# Altium PCB USD3.0.PcbDoc (part 1 of 3)
Units mm, origin at the board's own origin, x right, y up, seen from the top; angles counter-clockwise.
Board outline 70 x 100 mm, 4 copper layers (Layer 1, Layer 2, Layer 3, Layer 4), stack 0.566 mm thick; 249 components, 168 nets, 1040 pads, 789 vias.
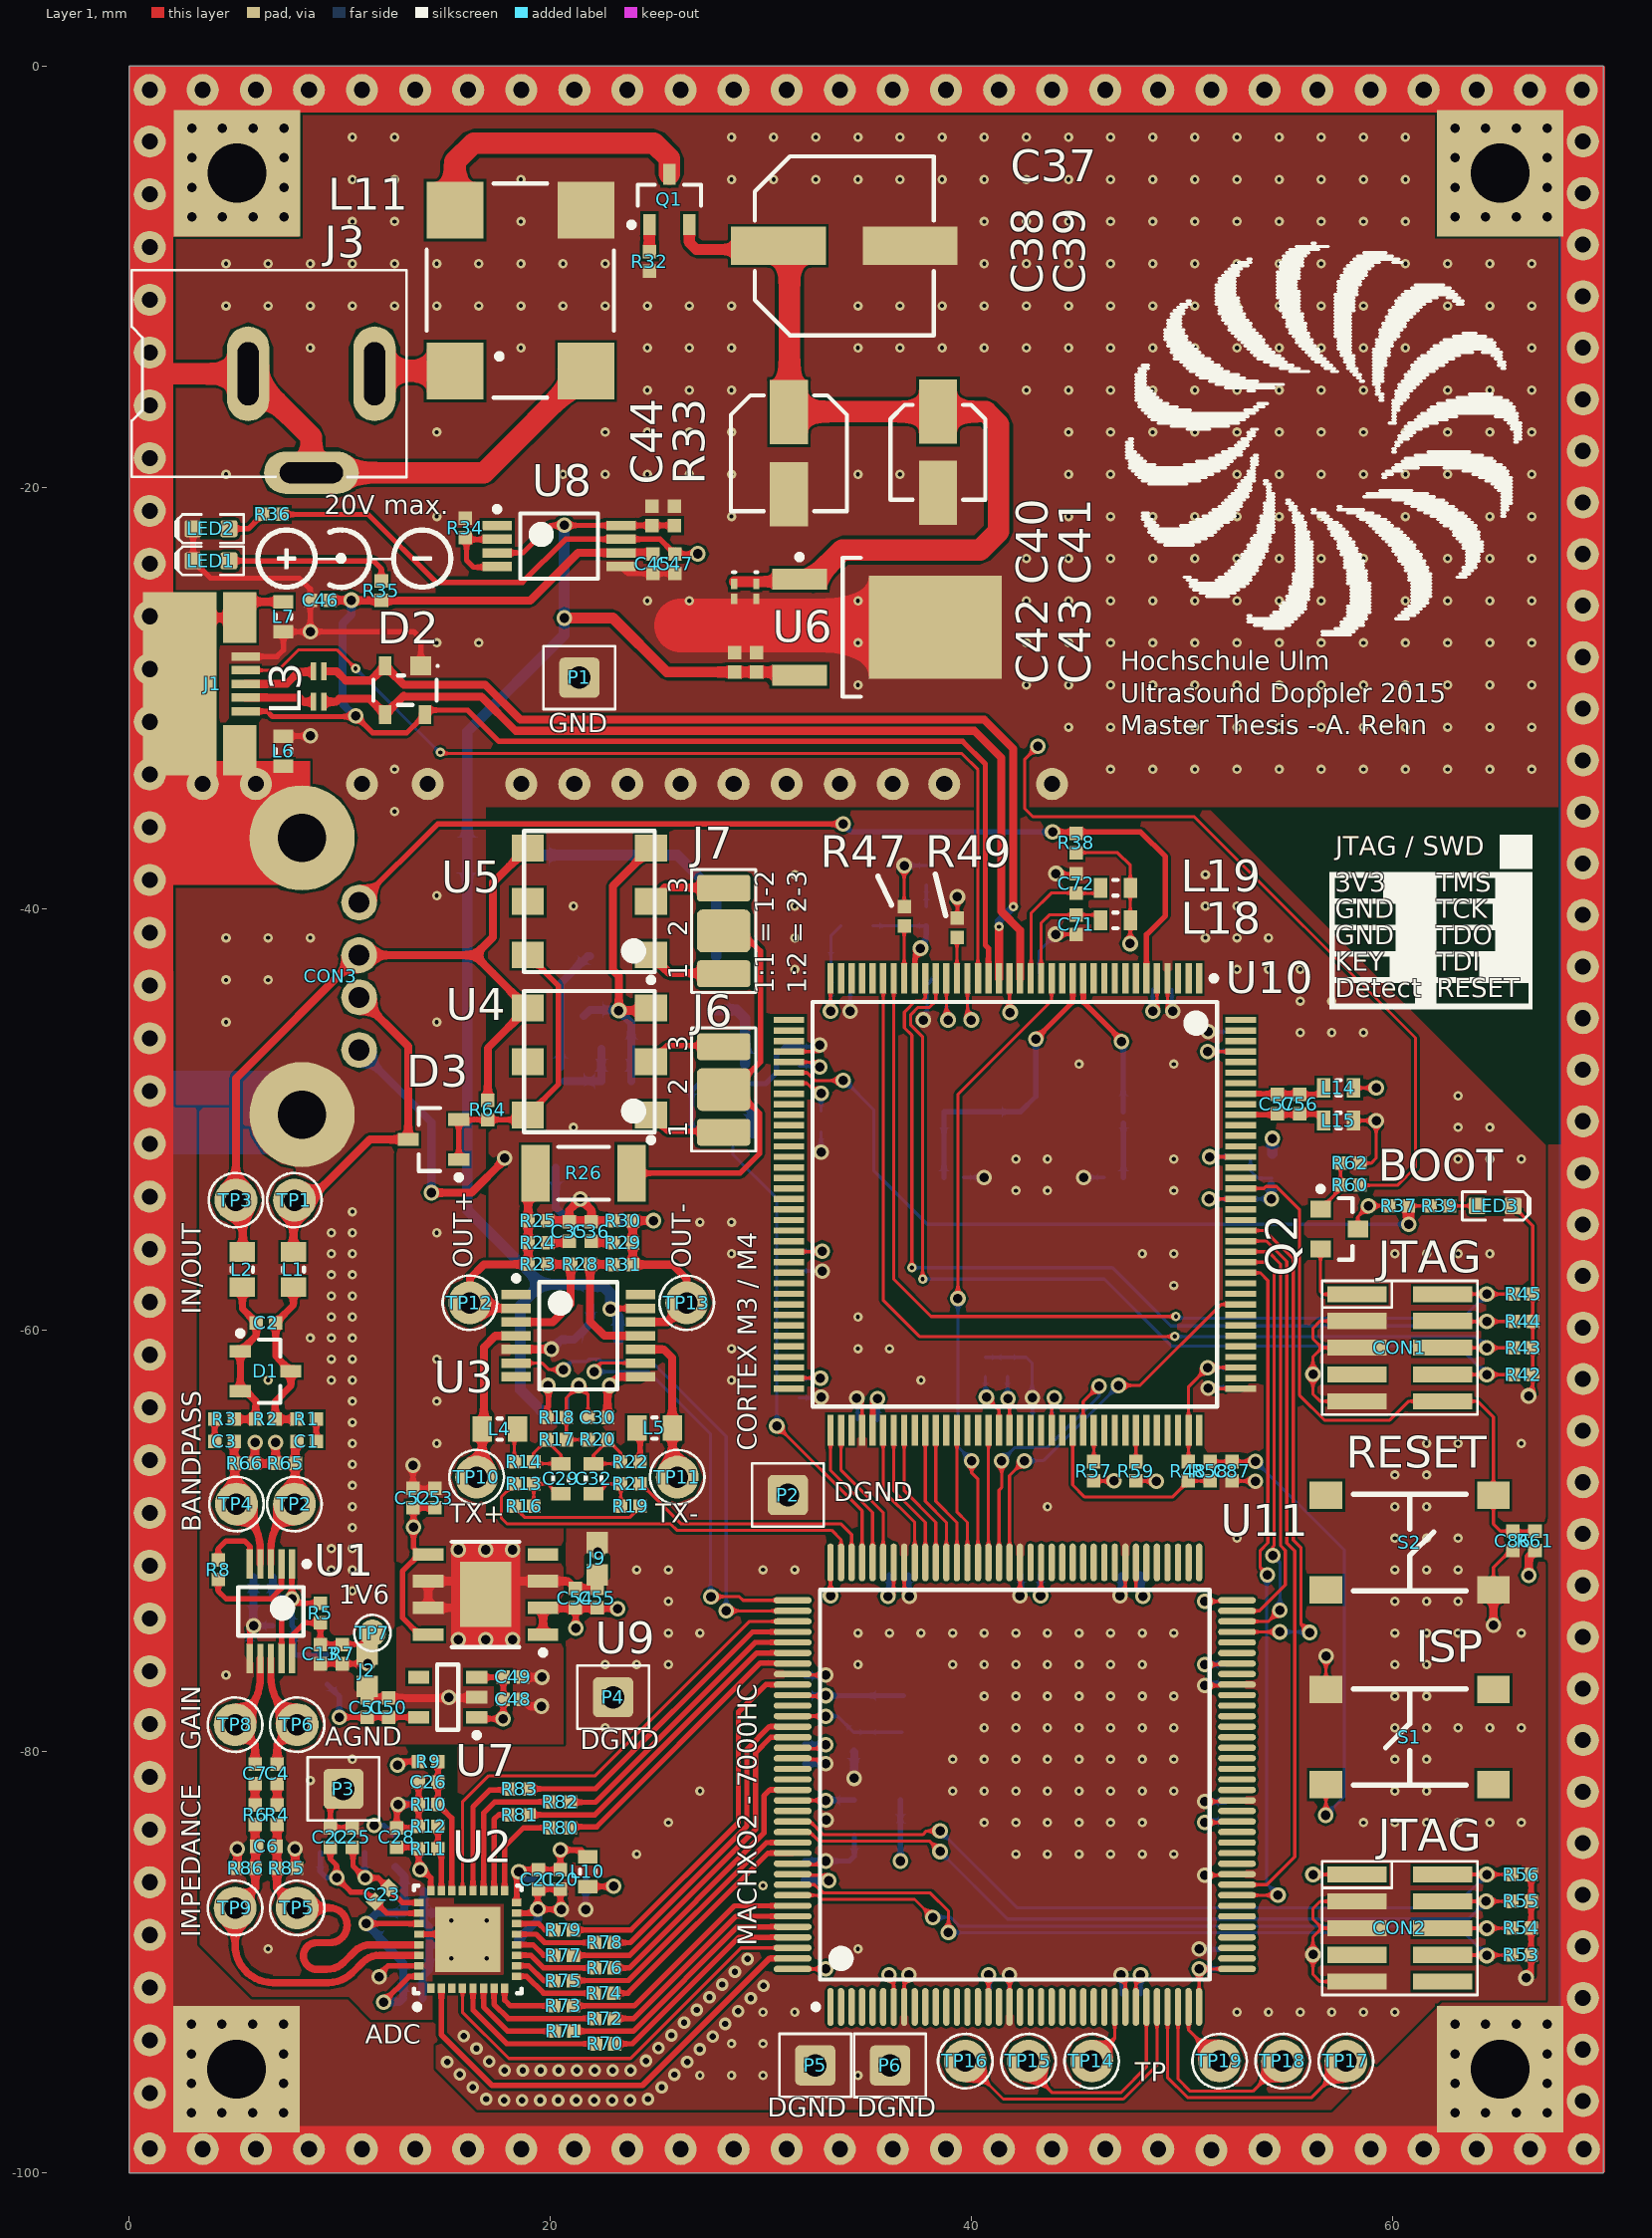
[diagram p0: Layer 1 view]
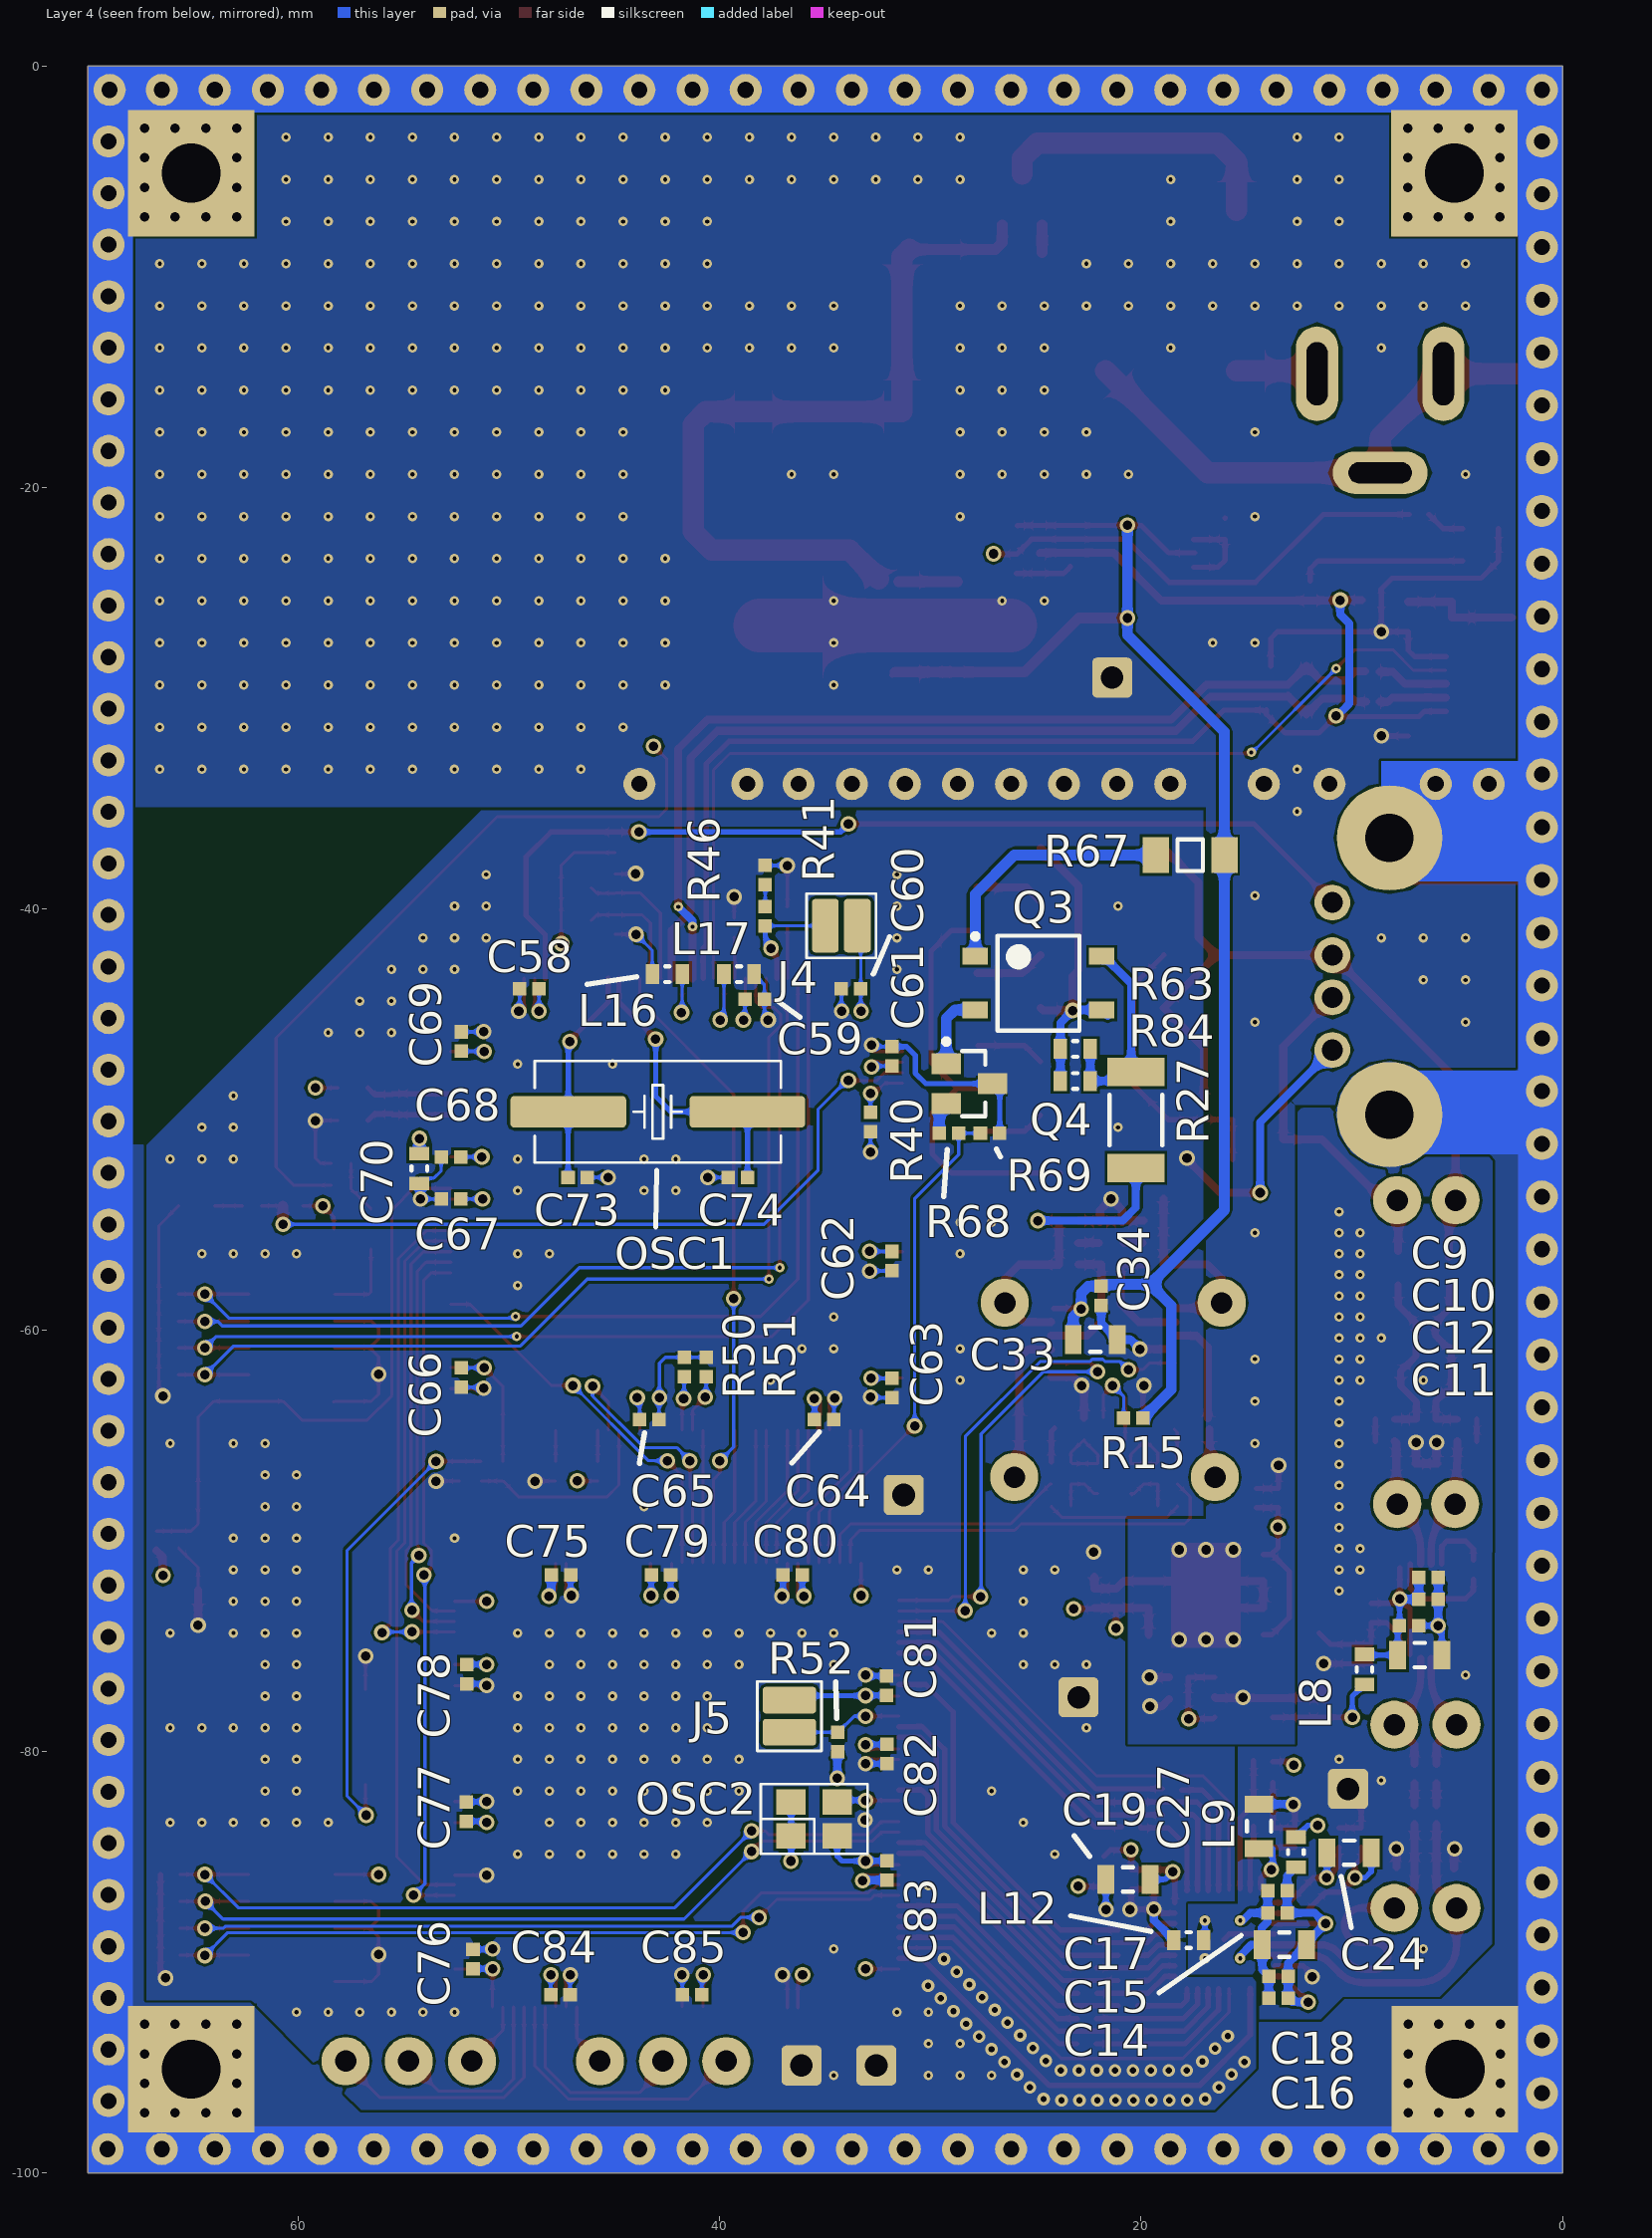
[diagram p1: Layer 4 view, seen from below]
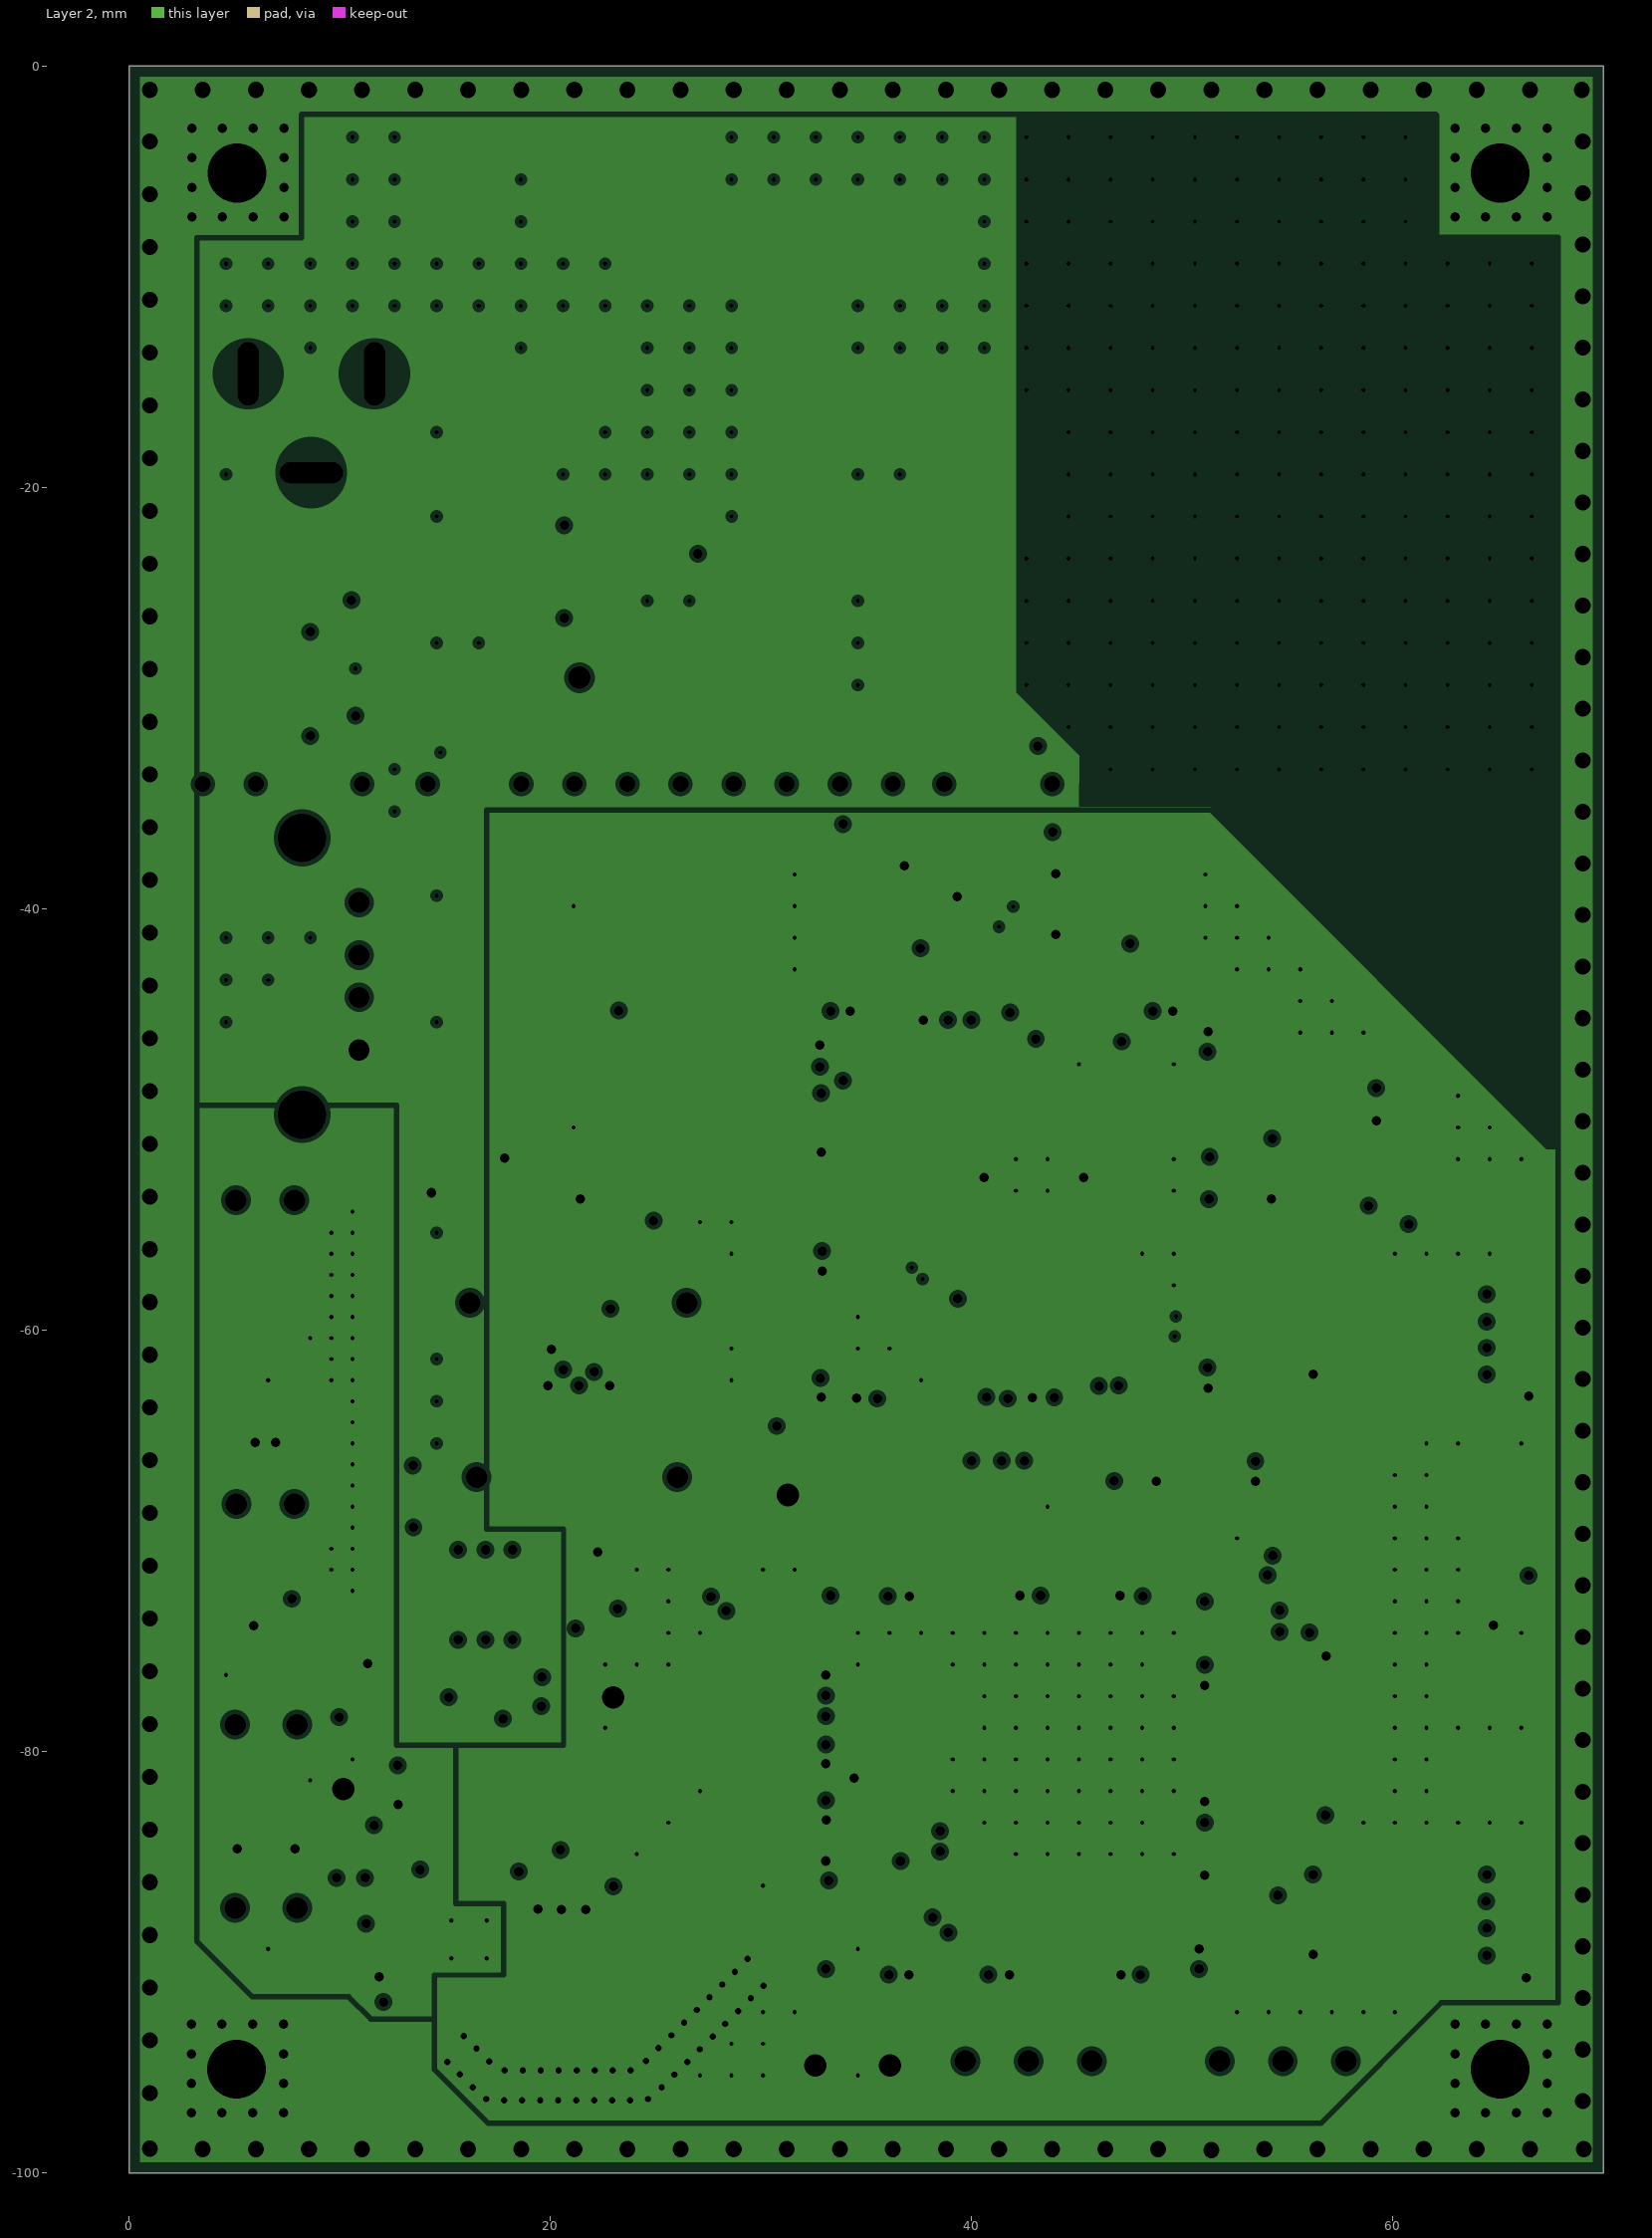
[diagram p2: Layer 2, clearances drawn from the general rule]
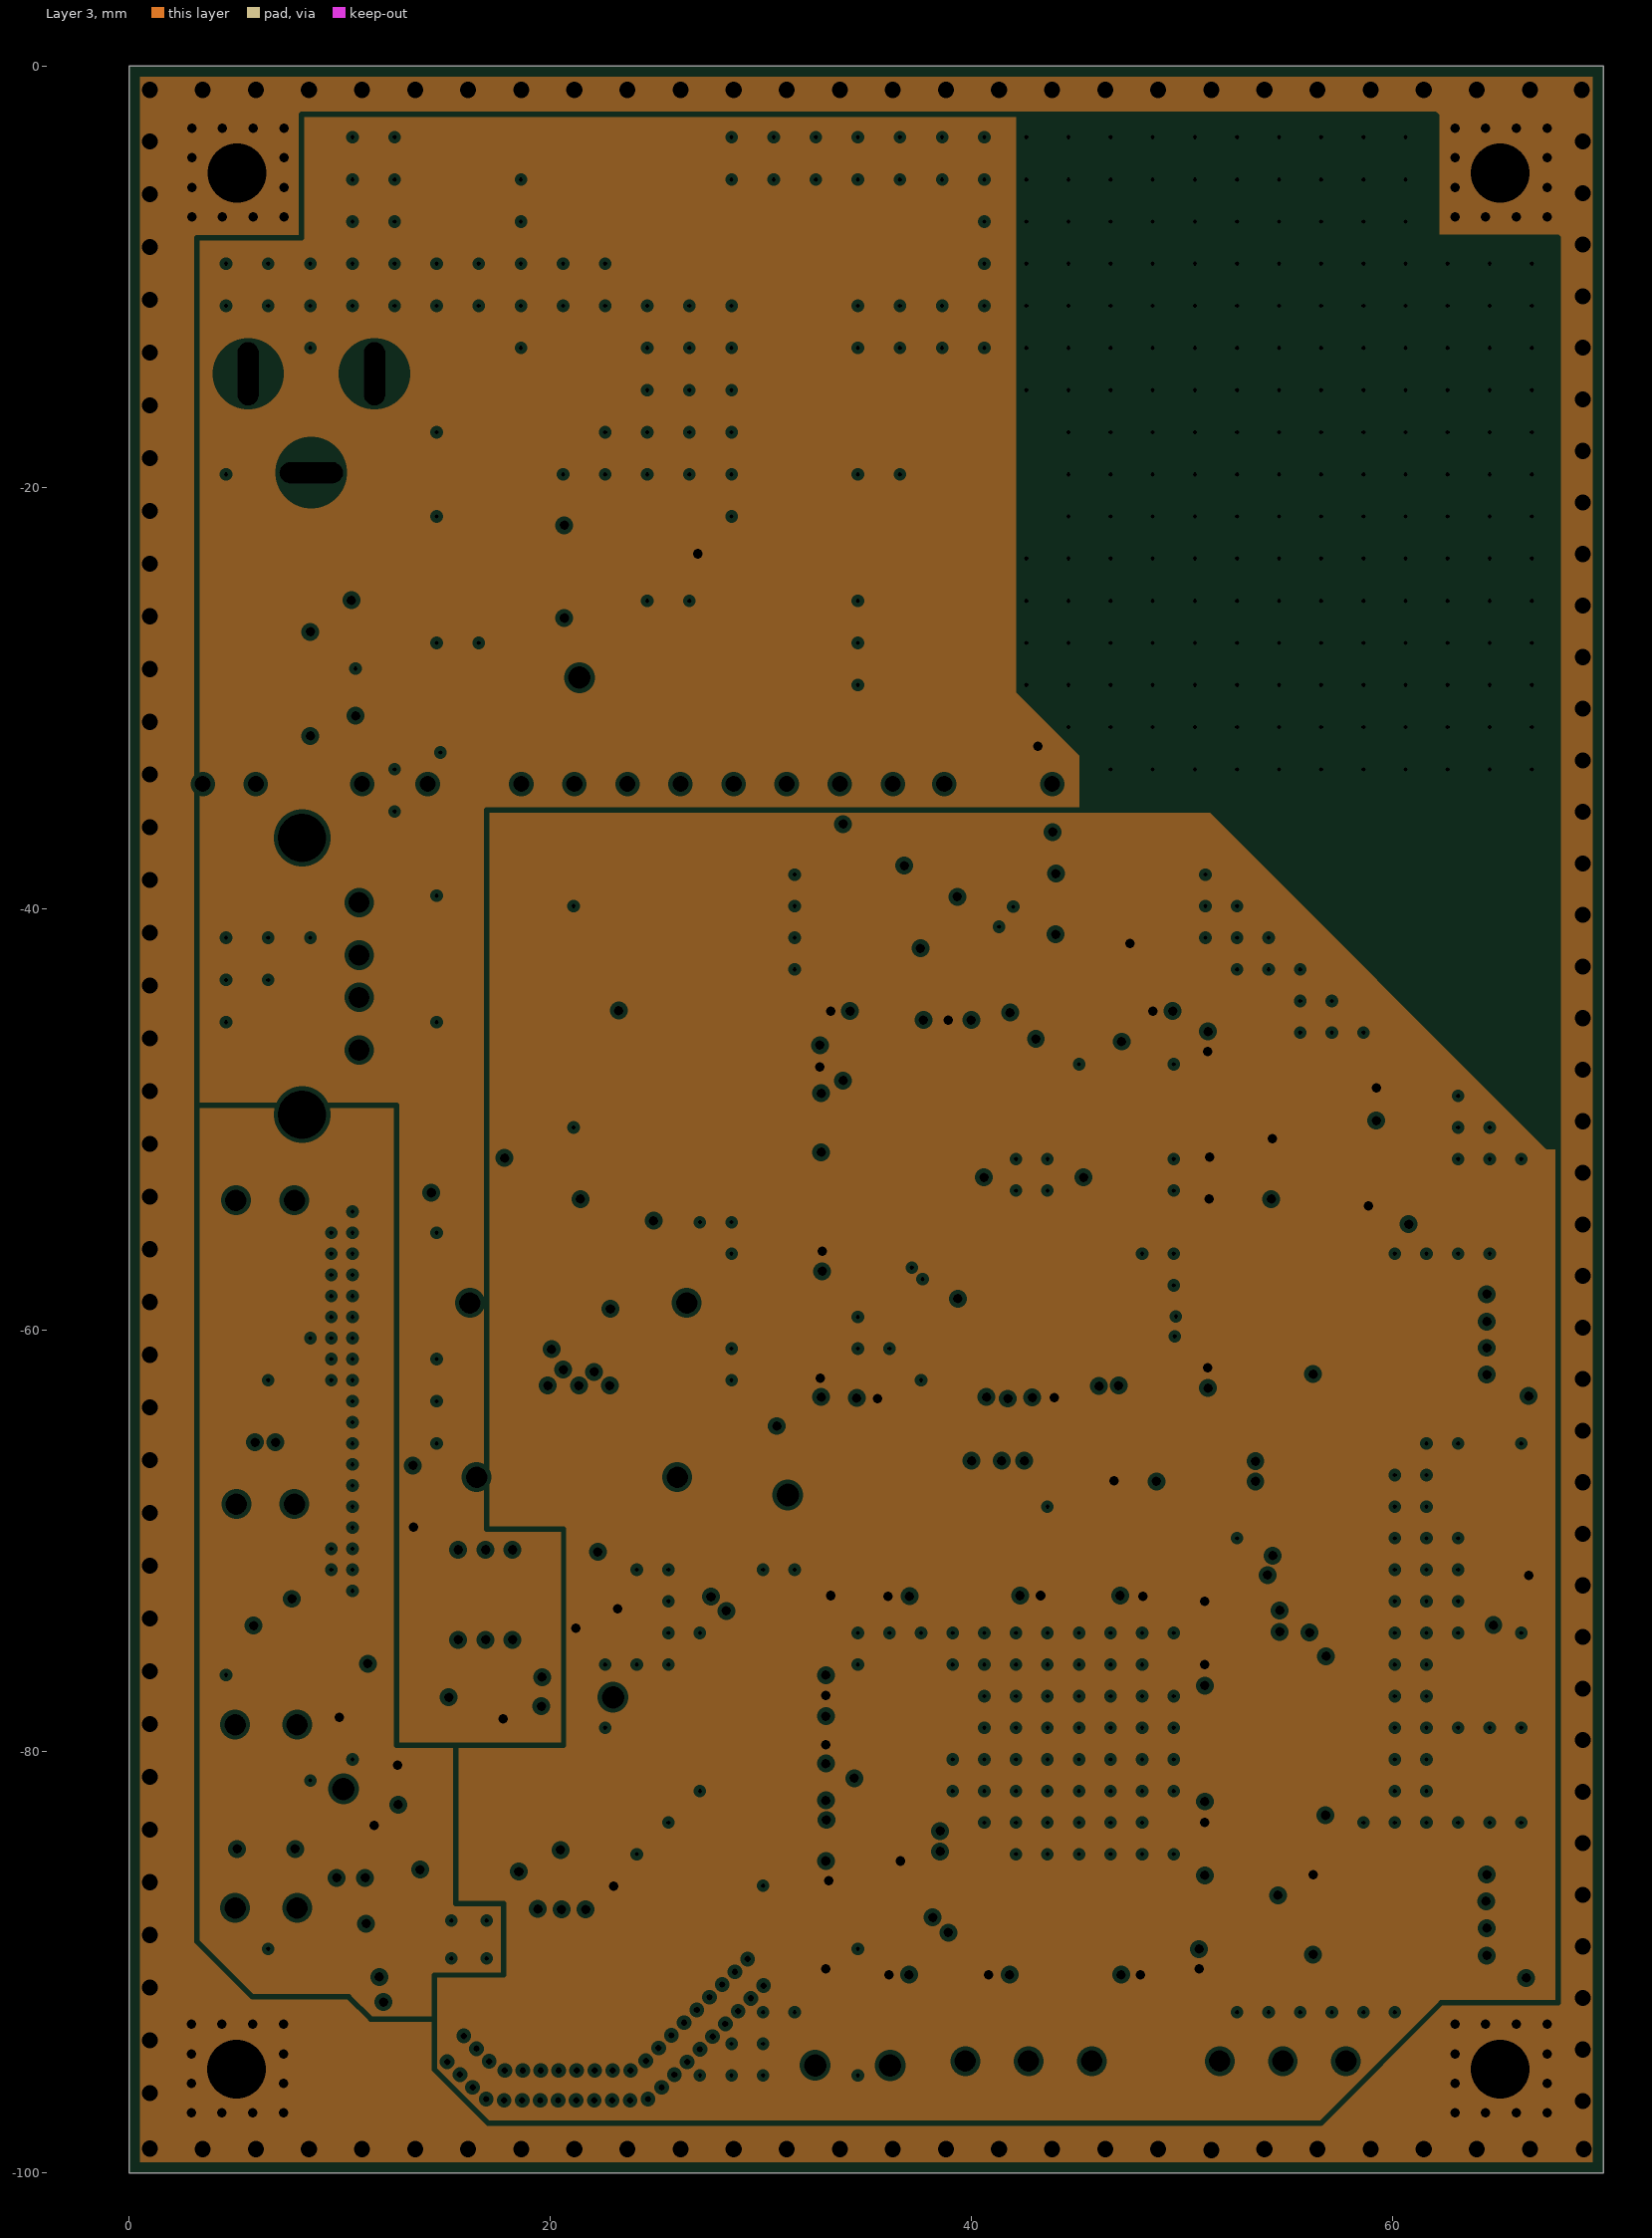
[diagram p3: Layer 3, clearances drawn from the general rule]

## Layer stack, top to bottom
Top Solder: solder mask 0.0102, Solder Resist, Dk 3.5
Layer 1: signal copper 0.018
Dielectric 1: prepreg 0.18, FR-4, Dk 4.2
Layer 2: plane copper 0.035, net (Multiple Nets)
Dielectric 3: core 0.1, FR-4, Dk 4.2
Layer 3: plane copper 0.035, net (Multiple Nets)
Dielectric 4: prepreg 0.18, FR-4, Dk 4.2
Layer 4: signal copper 0.018
Bottom Solder: solder mask 0.0102, Solder Resist, Dk 3.5

## Board outline
0,-100 70,-100 70,0 0,0

## Design rules (kind name [scope] priority, off if disabled: settings)
AcuteAngle [All] p1: minimum=8.50000000000000E+0001 checktracksonly=TRUE
Clearance [All] p1: gap=0.125
DiffPairsRouting [All] p1: maxlimit=10 minlimit=0.125 mostfreqgap=0.15 toplayer_minwidth=0.254 toplayer_maxwidth=0.381 toplayer_prefwidth=0.381 bottomlayer_minwidth=0.254 bottomlayer_maxwidth=0.381 bottomlayer_prefwidth=0.381 maxuncoupledlength=12.7
FabricationTestPointUsage FabricationTestPointUsage_1 [All] p1: valid=0 allowmultiple=FALSE
FabricationTestpoint FabricationTestpoint_1 [All] p1: side=3 testpointundercomponent=TRUE minsize=1.016 maxsize=2.54 preferedsize=1.524 minholesize=0 maxholesize=1.016 preferedholesize=0.813 testpointgrid=0.025 allowsidetop=TRUE allowsidebottom=TRUE usegrid=TRUE gridtolerance=0
HoleSize [All] p1: absolutevalues=TRUE maxlimit=6 minlimit=0.2 maxpercent=80.000 minpercent=20.000
HoleSize FabricationTestpoint [All] p2 off: absolutevalues=TRUE maxlimit=2.54 minlimit=0.025 maxpercent=80.000 minpercent=20.000
HoleSize FabricationTestPointUsage [All] p3 off: absolutevalues=TRUE maxlimit=2.54 minlimit=0.025 maxpercent=80.000 minpercent=20.000
MatchedLengths "Schematic Matched Net Lengths_2" [InNetClass('ADC[13..0]')] p1: tolerance=10 checknetsindiffpair=TRUE checkdiffpairvsdiffpair=TRUE checkothers=TRUE
MatchedLengths "Schematic Matched Net Lengths" [InNetClass('USB')] p2: tolerance=4 checknetsindiffpair=TRUE checkdiffpairvsdiffpair=TRUE checkothers=TRUE
PlaneClearance [All] p1: clearance=0.2
PlaneConnect [All] p1: planeconnectstyle=Relief reliefexpansion=0.4 reliefentries=4 reliefconductorwidth=0.15 reliefairgap=0.15
PolygonConnect [All] p1: connectstyle=Direct reliefconductorwidth=0.15 reliefentries=4 polygonreliefangle="90 Angle" airgapwidth=0.254
RoomDefinition Ports [InComponentClass('Ports')] p1: confinementstyle=ConfineIn formatcopy=TRUE lockcomponents=FALSE outline -25.4,-125.375 25.4,-125.375 25.4,-99.975 -25.4,-99.975
RoomDefinition CPLD [InComponentClass('CPLD')] p2: confinementstyle=ConfineIn formatcopy=TRUE lockcomponents=FALSE outline -25.4,-125.375 25.4,-125.375 25.4,-99.975 -25.4,-99.975
RoomDefinition Transmitter [InComponentClass('Transmitter')] p3: confinementstyle=ConfineIn formatcopy=TRUE lockcomponents=FALSE outline -25.4,-125.375 25.4,-125.375 25.4,-99.975 -25.4,-99.975
RoomDefinition Receiver [InComponentClass('Receiver')] p4: confinementstyle=ConfineIn formatcopy=TRUE lockcomponents=FALSE outline -25.4,-125.375 25.4,-125.375 25.4,-99.975 -25.4,-99.975
RoomDefinition Bandpass [InComponentClass('Bandpass')] p5: confinementstyle=ConfineIn formatcopy=TRUE lockcomponents=FALSE outline -25.4,-125.375 25.4,-125.375 25.4,-99.975 -25.4,-99.975
RoomDefinition System [InComponentClass('System')] p6: confinementstyle=ConfineIn formatcopy=TRUE lockcomponents=FALSE outline -25.4,-125.375 25.4,-125.375 25.4,-99.975 -25.4,-99.975
RoomDefinition Supply [InComponentClass('Supply')] p7: confinementstyle=ConfineIn formatcopy=TRUE lockcomponents=FALSE outline -25.4,-125.375 25.4,-125.375 25.4,-99.975 -25.4,-99.975
RoomDefinition Messsystem [InComponentClass('Messsystem')] p8: confinementstyle=ConfineIn formatcopy=TRUE lockcomponents=FALSE outline -25.4,-125.375 25.4,-125.375 25.4,-99.975 -25.4,-99.975
RoomDefinition "Cortex POWER" [InComponentClass('Cortex POWER')] p9: confinementstyle=ConfineIn formatcopy=TRUE lockcomponents=FALSE outline -25.4,-125.375 25.4,-125.375 25.4,-99.975 -25.4,-99.975
RoomDefinition "Cortex CLK_SWD_USB_ADC" [InComponentClass('Cortex CLK_SWD_USB_ADC')] p10: confinementstyle=ConfineIn formatcopy=TRUE lockcomponents=FALSE outline -25.4,-125.375 25.4,-125.375 25.4,-99.975 -25.4,-99.975
RoutingCorners [All] p1: cornerstyle=45-Degree minsetback=1.25 maxsetback=1.25
RoutingVias [All] p1: holewidth=0.3 width=0.6 viastyle="Through Hole" minholewidth=0.2 minwidth=0.45 maxholewidth=0.45 maxwidth=0.75
SolderMaskExpansion [All] p1: expansion=0.1
Width Width_pcb [All] p1: maxlimit=10 minlimit=0.125 preferedwidth=0.15
23 further rules are at their usual default settings.
